# Altium PCB PCB Ver. 1.0.PcbDoc (part 2 of 2)
Units mil, origin at the board's own origin, x right, y up, seen from the top; angles counter-clockwise.
Board outline 6000 x 4000 mil, 2 copper layers (Top Layer, Bottom Layer); 133 components, 170 nets, 575 pads, 181 vias.
Unrouted connection lines stored in the file: 1.
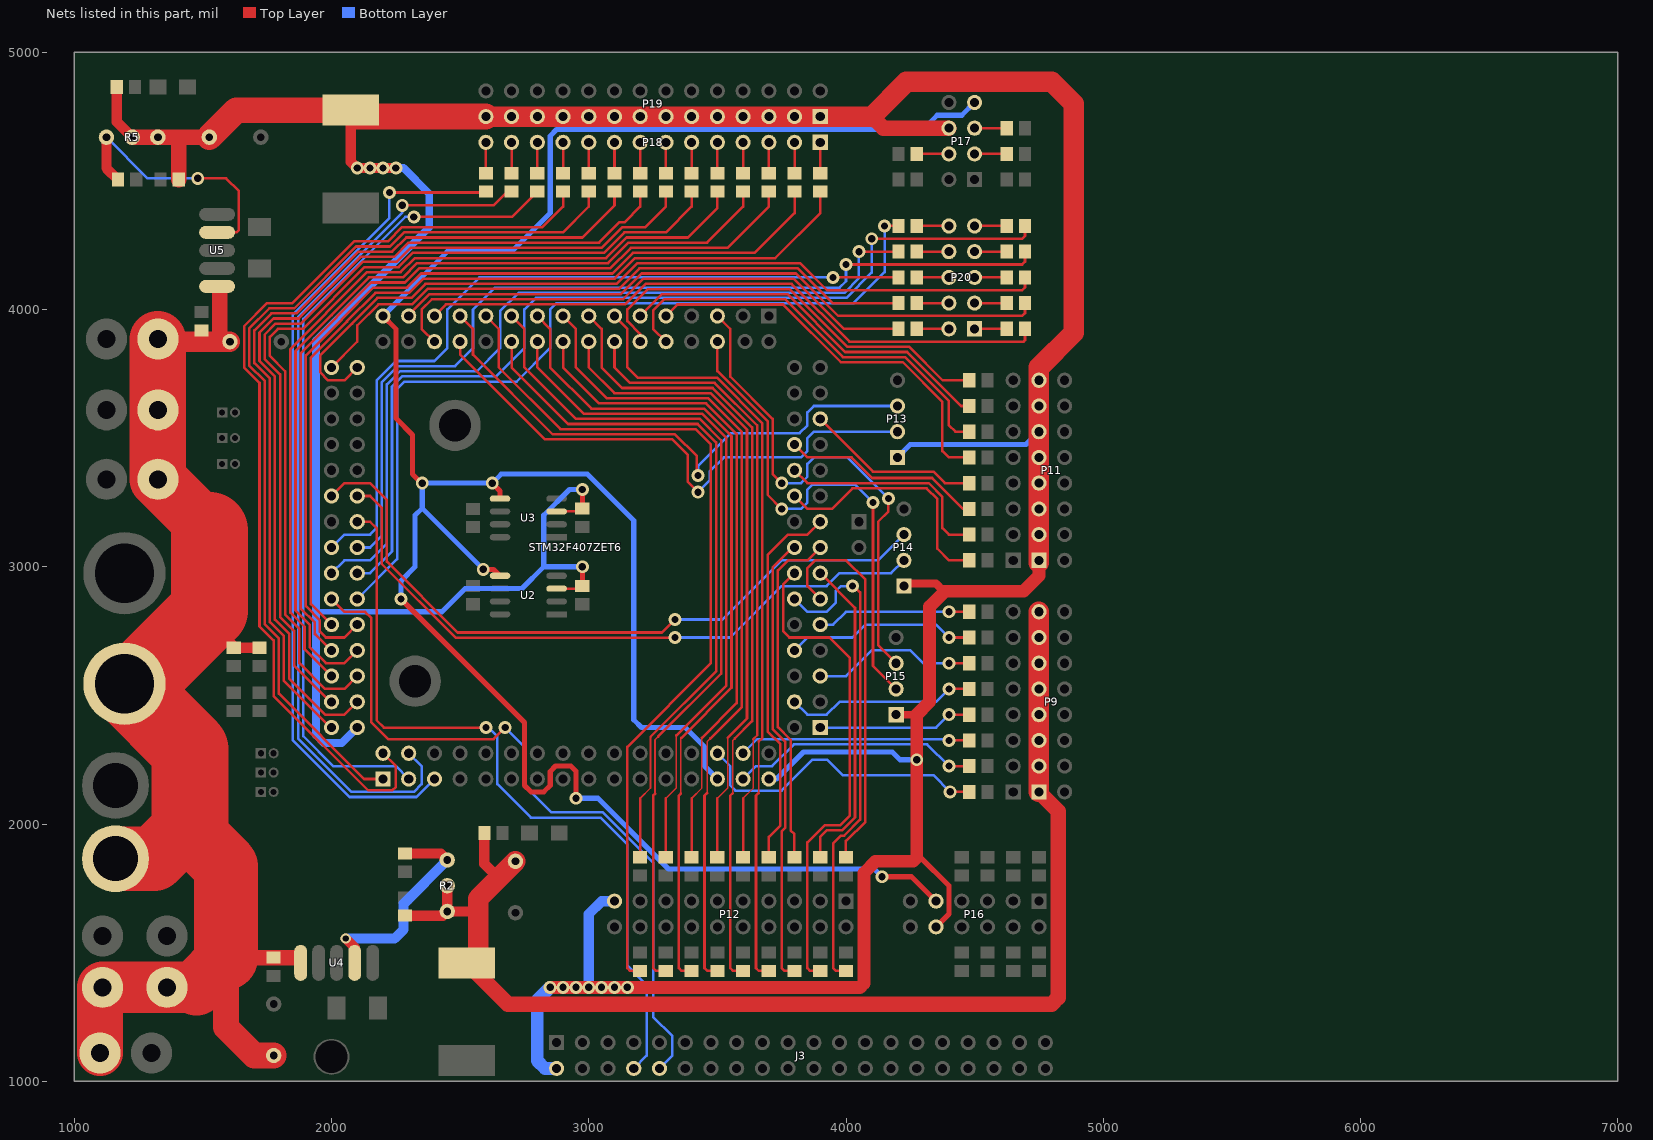
[diagram p2: the nets of this part, all layers, seen from the top]

## Via types
v1: diameter 30, hole 20, Top Layer to Bottom Layer, 98 vias
v2: diameter 50, hole 28, Top Layer to Bottom Layer, 82 vias
v3: diameter 40, hole 25, Top Layer to Bottom Layer, 1 vias

## Nets (pads, with @x,y where several pads share a name; then routed paths per layer and width w, separated by ;. In a path a pad name is that pad's centre, name@x,y a point inside that pad or via, vN(x,y) a via of type N, cw(c..) or ccw(c..) an arc to the next point about the centre after c; other vN are vias at no path point) (continued)
NetP17_3: P17.3 R21.2 | length 125
  Top Layer w10: P17.3@4500,4605 R21.2@4625,4605
NetP17_4: P17.4 R22.1 | length 125
  Top Layer w10: R22.1@4275,4605 P17.4@4400,4605
NetP17_5: P17.5 R23.2 | length 125
  Top Layer w10: P17.5@4500,4705 R23.2@4625,4705
NetP18_1: P18.1 R50.2 | length 120
  Top Layer w10: R50.2@3900,4530 P18.1@3900,4650
NetP18_2: P18.2 R51.2 | length 120
  Top Layer w10: R51.2@3800,4530 P18.2@3800,4650
NetP18_3: P18.3 R52.2 | length 120
  Top Layer w10: R52.2@3700,4530 P18.3@3700,4650
NetP18_4: P18.4 R53.2 | length 120
  Top Layer w10: R53.2@3600,4530 P18.4@3600,4650
NetP18_5: P18.5 R54.2 | length 120
  Top Layer w10: R54.2@3500,4530 P18.5@3500,4650
NetP18_6: P18.6 R55.2 | length 120
  Top Layer w10: R55.2@3400,4530 P18.6@3400,4650
NetP18_7: P18.7 R56.2 | length 120
  Top Layer w10: R56.2@3300,4530 P18.7@3300,4650
NetP18_8: P18.8 R57.2 | length 120
  Top Layer w10: R57.2@3200,4530 P18.8@3200,4650
NetP18_9: P18.9 R58.2 | length 120
  Top Layer w10: R58.2@3100,4530 P18.9@3100,4650
NetP18_10: P18.10 R59.2 | length 120
  Top Layer w10: R59.2@3000,4530 P18.10@3000,4650
NetP18_11: P18.11 R60.2 | length 120
  Top Layer w10: R60.2@2900,4530 P18.11@2900,4650
NetP18_12: P18.12 R61.2 | length 120
  Top Layer w10: R61.2@2800,4530 P18.12@2800,4650
NetP18_13: P18.13 R62.2 | length 120
  Top Layer w10: R62.2@2700,4530 P18.13@2700,4650
NetP18_14: P18.14 R63.2 | length 120
  Top Layer w10: R63.2@2600,4530 P18.14@2600,4650
NetP20_1: P20.1 R72.2 | length 125
  Top Layer w10: P20.1@4500,3925 R72.2@4625,3925
NetP20_2: P20.2 R73.1 | length 125
  Top Layer w10: R73.1@4275,3925 P20.2@4400,3925
NetP20_3: P20.3 R74.2 | length 125
  Top Layer w10: P20.3@4500,4025 R74.2@4625,4025
NetP20_4: P20.4 R75.1 | length 125
  Top Layer w10: R75.1@4275,4025 P20.4@4400,4025
NetP20_5: P20.5 R76.2 | length 125
  Top Layer w10: P20.5@4500,4125 R76.2@4625,4125
NetP20_6: P20.6 R77.1 | length 125
  Top Layer w10: R77.1@4275,4125 P20.6@4400,4125
NetP20_7: P20.7 R78.2 | length 125
  Top Layer w10: P20.7@4500,4225 R78.2@4625,4225
NetP20_8: P20.8 R79.1 | length 125
  Top Layer w10: R79.1@4275,4225 P20.8@4400,4225
NetP20_9: P20.9 R80.2 | length 125
  Top Layer w10: P20.9@4500,4325 R80.2@4625,4325
NetP20_10: P20.10 R81.1 | length 125
  Top Layer w10: R81.1@4275,4325 P20.10@4400,4325
NetR1_2: R1.2 R2.1 U4.4 | length 864.9
  Top Layer w10: U4.4@2090,1460 U4.4@2090,1520
  Top Layer w40: v3(2055,1555) U4.4@2090,1520 ; R1.2@2285,1885.43 2424.57,1885.43 R2.1@2450,1860
  Bottom Layer w40: v3(2055,1555) 2245,1555 2280,1590 2280,1690 R2.1@2450,1860
NetR4_2: R4.2 R5.1 U5.4 | length 1024.8
  Top Layer w10: v2(1480,4510) 1590,4510 1640,4460 1640,4310 1630,4300 U5.4@1555,4300
  Top Layer w40: R5.1@1125,4670 1125,4550 R4.2@1170,4505
  Bottom Layer w10: R5.1@1125,4670 1285,4510 v2(1480,4510)
PA11: R72.1 STM32F407ZET6.119 | length 2487
  Top Layer w10: STM32F407ZET6.119@2400,3975 2445,4020 3141.72,4020 3221.24,4099.53 3788.76,4099.53 4013.28,3875 4690,3875 4695.87,3880.87 R72.1@4695.87,3925
PA12: R73.2 STM32F407ZET6.120 | length 2130.3
  Top Layer w10: STM32F407ZET6.120@2400,3875 2350,3925 2350,4000 2390,4040 3133.43,4040 3213.43,4120 3796.57,4120 3991.57,3925 R73.2@4204.13,3925
PA13: R74.1 STM32F407ZET6.121 | length 2578.1
  Top Layer w10: STM32F407ZET6.121@2300,3975 2300,3978.28 2381.72,4060 3125.15,4060 3205.15,4140 3804.85,4140 3969.85,3975 4685,3975 4695.87,3985.87 R74.1@4695.87,4025
PA14: R75.2 STM32F407ZET6.1 | length 2456.4
  Top Layer w10: STM32F407ZET6.1@2000,3775 2100.03,3875.03 2100.03,3938 2182.03,4020 2313.43,4020 2373.43,4080 3116.86,4080 3196.86,4160 3813.14,4160 3948.14,4025 R75.2@4204.13,4025
PA15: R76.1 STM32F407ZET6.2 | length 3219.4
  Top Layer w10: STM32F407ZET6.2@2100,3775 2050,3725 1987.03,3725 1955.47,3756.56 1955.47,3820.41 2080.03,3944.97 2080.03,3946.29 2178.74,4045 2310.15,4045 2365.15,4100 3108.58,4100 3188.58,4180 3821.42,4180 3926.42,4075 4685,4075 4695.87,4085.87 R76.1@4695.87,4125
PB3: R50.1 STM32F407ZET6.21 | length 3369
  Top Layer w10: STM32F407ZET6.21@2000,2775 1920,2855 1920,3813.22 2060.03,3953.25 2060.03,3954.57 2170.46,4065 2301.86,4065 2356.86,4120 3100,4120 3180,4200 3725,4200 3900,4375 R50.1@3900,4459.13
PB4: R51.1 STM32F407ZET6.22 | length 3485.5
  Top Layer w10: STM32F407ZET6.22@2100,2775 2050,2725 1978.28,2725 1955,2748.28 1955,2791.72 1900,2846.72 1900,3821.51 2040.03,3961.54 2040.03,3962.85 2162.18,4085 2293.58,4085 2348.58,4140 3091.72,4140 3171.72,4220 3645,4220 3800,4375 R51.1@3800,4459.13
PB5: R52.1 STM32F407ZET6.23 | length 3321.1
  Top Layer w10: 1935,2738.28 1935,2783.43 1880,2838.43 1880,3829.79 2020.03,3969.82 2020.03,3971.14 2153.89,4105 2285.29,4105 2340.29,4160 3083.43,4160 3163.43,4240 3540,4240 3700,4400 R52.1@3700,4459.13 ; 1935.86,2739.14 STM32F407ZET6.23@2000,2675
PB6: R53.1 STM32F407ZET6.24 | length 3437.2
  Top Layer w10: STM32F407ZET6.24@2100,2675 2050,2625 1978.28,2625 1915,2688.28 1915,2775.15 1860,2830.15 1860,3838.08 2000.03,3978.11 2000.03,3979.42 2145.61,4125 2277.01,4125 2332.01,4180 3075.15,4180 3155.15,4260 3460,4260 3600,4400 R53.1@3600,4459.13
PB7: R54.1 STM32F407ZET6.25 | length 3289.8
  Top Layer w10: STM32F407ZET6.25@2000,2575 1895,2680 1895,2766.86 1840,2821.86 1840,3846.36 1980.03,3986.39 1980.03,3987.71 2137.32,4145 2268.73,4145 2323.73,4200 3066.86,4200 3146.86,4280 3385,4280 3500,4395 R54.1@3500,4459.13
PB8: R55.1 STM32F407ZET6.26 | length 3512.3
  Top Layer w10: STM32F407ZET6.26@2100,2575 2050,2525 1975,2525 1875,2625 1875,2758.58 1820,2813.58 1820,3760 1760,3820 1760,3893.64 1791.36,3925 1889.04,3925 2129.04,4165 2260.44,4165 2315.44,4220 3058.58,4220 3138.58,4300 3300,4300 3400,4400 R55.1@3400,4459.13
PB9: R56.1 STM32F407ZET6.27 | length 3362
  Top Layer w10: STM32F407ZET6.27@2000,2475 1996.72,2475 1855,2616.72 1855,2750.29 1800,2805.29 1800,3748.28 1740,3808.28 1740,3901.92 1783.08,3945 1880.75,3945 2120.75,4185 2252.16,4185 2307.16,4240 3050.29,4240 3130.29,4320 3220,4320 3300,4400 R56.1@3300,4459.13
PC6: R38.1 STM32F407ZET6.112 | length 2675.5
  Top Layer w6: 3300,2100 3340.86,2140.86 3340.86,2344.14
  Top Layer w10: STM32F407ZET6.112@2800,3875 2800,3775 2980,3595 3439.85,3595 3535,3499.85 3535,2538.28 3340.86,2344.14 ; R38.1@3299.57,1870.87 3300,1871.3 3300,2100
PC7: R39.2 STM32F407ZET6.113 | length 3318.5
  Top Layer w6: 3257.47,2117.47 3257.47,2327.47 3270,2340
  Top Layer w10: STM32F407ZET6.113@2700,3975 2750,3925 2750,3775 2950,3575 3431.57,3575 3515,3491.57 3515,2585 3270,2340 ; 3257.47,2117.47 3250,2110 3250,1440 3260.87,1429.13 R39.2@3299.57,1429.13
PC8: R40.1 STM32F407ZET6.114 | length 2750.3
  Top Layer w6: 3200,2100 3240,2140 3240,2339.14
  Top Layer w10: STM32F407ZET6.114@2700,3875 2700,3775 2920,3555 3423.28,3555 3495,3483.28 3495,2593.28 3240.86,2339.14 ; R40.1@3199.57,1870.87 3200,1871.3 3200,2100
PC9: R41.2 STM32F407ZET6.115 | length 3393.7
  Top Layer w10: STM32F407ZET6.115@2600,3975 2650,3925 2650,3775 2890,3535 3415,3535 3475,3475 3475,2625 3150,2300 3150,1440 3160.87,1429.13 R41.2@3199.57,1429.13
PE0: R57.1 STM32F407ZET6.28 | length 3478.6
  Top Layer w10: STM32F407ZET6.28@2100,2475 2050,2425 1975,2425 1835,2565 1835,2740 1780,2795 1780,3740 1720,3800 1720,3910.21 1774.79,3965 1872.47,3965 2112.47,4205 2243.87,4205 2298.87,4260 3040,4260 3120,4340 3140,4340 3200,4400 R57.1@3200,4459.13
PE1: R58.1 STM32F407ZET6.29 | length 3325.3
  Top Layer w10: STM32F407ZET6.29@2000,2375 1996.72,2375 1815,2556.72 1815,2730 1760,2785 1760,3731.57 1700,3791.57 1700,3918.49 1766.51,3985 1864.19,3985 2104.19,4225 2235.59,4225 2290.59,4280 2975,4280 3100,4405 R58.1@3100,4459.13
PE2: R59.1 STM32F407ZET6.31 | length 3585.3
  Top Layer w10: STM32F407ZET6.31@2200,2175 2126.57,2175 1795,2506.57 1795,2721.72 1740,2776.72 1740,3723.28 1680,3783.28 1680,3926.78 1758.22,4005 1855.9,4005 2095.9,4245 2227.31,4245 2282.31,4300 2900,4300 3000,4400 R59.1@3000,4459.13
PE3: R60.1 STM32F407ZET6.32 | length 3760.4
  Top Layer w10: STM32F407ZET6.32@2200,2275 2250,2225 2250,2144.73 2235.74,2130.47 2142.81,2130.47 1775,2498.28 1775,2713.43 1720,2768.43 1720,3715 1660,3775 1660,3935.06 1749.94,4025 1847.62,4025 2087.62,4265 2219.02,4265 2274.02,4320 2820,4320 2900,4400 R60.1@2900,4459.13
PE4: R61.1 STM32F407ZET6.33 | length 3216.2
  Top Layer w10: v2(2320,4360) 2700.87,4360 R61.1@2800,4459.13
  Bottom Layer w10: STM32F407ZET6.33@2300,2175 2250,2225 2006.57,2225 1890,2341.57 1890,3963.43 2286.57,4360 v2(2320,4360)
PE5: R62.1 STM32F407ZET6.34 | length 3406.3
  Top Layer w10: v2(2275,4405) 2630,4405 2684.13,4459.13 R62.1@2700,4459.13
  Bottom Layer w10: v2(2275,4405) 2275,4376.72 1870,3971.72 1870,2333.28 2078.28,2125 2320,2125 2350,2155 2350,2225 STM32F407ZET6.34@2300,2275
PE6: R63.1 STM32F407ZET6.35 | length 3337
  Top Layer w10: v2(2225,4455) 2584.13,4455 2594.13,4465 R63.1@2600,4459.13
  Bottom Layer w10: v2(2225,4455) 2225,4355 1850,3980 1850,2325 2070,2105 2330,2105 STM32F407ZET6.35@2400,2175
PF11: R24.1 STM32F407ZET6.73 | length 1520.4
  Top Layer w10: STM32F407ZET6.73@3900,2875 3850,2925 3850,2995 3880,3025 4000,3025 4075,2950 4075,2008.58 4001.42,1935 4000,1935 3999.57,1934.57 R24.1@3999.57,1870.87
PF12: R25.2 STM32F407ZET6.74 | length 1917.6
  Top Layer w10: R25.2@3999.57,1429.13 3960.87,1429.13 3950,1440 3950,1925 3980,1955 3993.14,1955 4055,2016.86 4055,2900 v2@4027.5,2927.5
  Bottom Layer w10: STM32F407ZET6.74@3800,2875 3850,2825 3925,2825 3960,2860 3960,2905 3980,2925 v2(4025,2925)
PF13: R26.1 STM32F407ZET6.75 | length 1251.2
  Top Layer w10: R26.1@3899.57,1870.87 3899.57,1949.57 3925,1975 3984.85,1975 4035,2025.15 4035,2840 STM32F407ZET6.75@3900,2975
PF14: R27.2 STM32F407ZET6.76 | length 1909.2
  Top Layer w10: STM32F407ZET6.76@3800,2975 3755.47,2930.47 3755.47,2749.53 3780,2725 3935,2725 4015,2645 4015,2033.43 3976.57,1995 3916.72,1995 3850,1928.28 3850,1440 3860.87,1429.13 R27.2@3899.57,1429.13
PF15: R28.1 STM32F407ZET6.77 | length 1342.8
  Top Layer w10: R28.1@3799.57,1870.87 3799.57,1960.43 3784.53,1975.47 3784.53,2327.5 3735.47,2376.56 3735.47,2985.47 3775,3025 3850,3025 STM32F407ZET6.77@3900,3075
PG0: R29.2 STM32F407ZET6.78 | length 1755.3
  Top Layer w10: R29.2@3799.57,1429.13 3760.87,1429.13 3750,1440 3750,1971.72 3764.53,1986.24 3764.53,2319.22 3715.47,2368.27 3715.47,2998.76 3791.72,3075 STM32F407ZET6.78@3800,3075
PG1: R30.1 STM32F407ZET6.79 | length 1476.7
  Top Layer w10: R30.1@3699.57,1870.87 3700,1871.3 3700,1950 3744.53,1994.53 3744.53,2310.93 3695.47,2359.99 3695.47,3045.47 3775,3125 3850,3125 STM32F407ZET6.79@3900,3175 STM32F407ZET6.79@3895,3175
PG2: R31.2 STM32F407ZET6.105 | length 3017.9
  Top Layer w6: 3660,2120 3660,2320
  Top Layer w10: STM32F407ZET6.105@3100,3975 3150,3925 3150,3775 3190,3735 3497.84,3735 3675,3557.84 3675,2335 3660,2320 ; 3660,2120 3650,2110 3650,1440 3660.87,1429.13 R31.2@3699.57,1429.13
PG3: R32.1 STM32F407ZET6.106 | length 2450
  Top Layer w6: 3600,2100 3640,2140 3640,2330
  Top Layer w10: STM32F407ZET6.106@3100,3875 3100,3775 3160,3715 3489.56,3715 3655,3549.56 3655,2345 3640,2330 ; R32.1@3599.57,1870.87 3600,1871.3 3600,2100
PG4: R33.2 STM32F407ZET6.107 | length 3093.1
  Top Layer w6: 3560,2120 3560,2325 3567.5,2332.5
  Top Layer w10: STM32F407ZET6.107@3000,3975 3050,3925 3050,3775 3130,3695 3481.27,3695 3635,3541.27 3635,2400 3567.5,2332.5 ; 3560,2120 3550,2110 3550,1440 3560.87,1429.13 R33.2@3599.57,1429.13
PG5: R34.1 STM32F407ZET6.108 | length 2525.2
  Top Layer w6: 3500,2100 3540,2140 3540,2335
  Top Layer w10: STM32F407ZET6.108@3000,3875 3000,3775 3100,3675 3472.99,3675 3615,3532.99 3615,2410 3540,2335 ; R34.1@3499.57,1870.87 3500,1871.3 3500,2100
PG6: R35.2 STM32F407ZET6.109 | length 3168.7
  Top Layer w6: 3460,2120 3460,2320 3472.5,2332.5
  Top Layer w10: STM32F407ZET6.109@2900,3975 2950,3925 2950,3775 3070,3655 3464.71,3655 3595,3524.71 3595,2455 3472.5,2332.5 ; 3460,2120 3450,2110 3450,1440 3460.87,1429.13 R35.2@3500,1429.13
PG7: R36.1 STM32F407ZET6.110 | length 2600.3
  Top Layer w6: 3400,2100 3440,2140 3440,2335
  Top Layer w10: STM32F407ZET6.110@2900,3875 2900,3775 3040,3635 3456.42,3635 3575,3516.42 3575,2470 3440,2335 ; R36.1@3399.57,1870.87 3400,1871.3 3400,2100
PG8: R37.2 STM32F407ZET6.111 | length 3243.4
  Top Layer w6: 3356.86,2120 3356.86,2331.86 3360,2335
  Top Layer w10: STM32F407ZET6.111@2800,3975 2850,3925 2850,3775 3010,3615 3448.14,3615 3555,3508.14 3555,2530 3360,2335 ; 3356.86,2120 3356.86,2116.86 3350,2110 3350,1440 3360.87,1429.13 R37.2@3399.57,1429.13
PG10: R77.2 STM32F407ZET6.15 | length 3063.8
  Top Layer w10: v2(3950,4125) R77.2@4204.13,4125
  Bottom Layer w10: STM32F407ZET6.15@2000,3075 2050,3125 2150,3125 2175,3150 2175,3725 2250,3800 2400,3800 2450,3850 2450,4000 2575,4125 v2(3950,4125)
PG11: R78.1 STM32F407ZET6.16 | length 3567.7
  Top Layer w10: v2@4000,4170 4005,4175 4685,4175 4695.87,4185.87 R78.1@4695.87,4225
  Bottom Layer w10: STM32F407ZET6.16@2100,3075 2150,3075 2195,3120 2195,3716.72 2258.28,3780 2480,3780 2550,3850 2550,4000 2635,4085 3975,4085 4000,4110 v2@4000,4170
  other v2: 4000,4175
PG12: R79.2 STM32F407ZET6.17 | length 3228.4
  Top Layer w10: v2(4050,4225) R79.2@4204.13,4225
  Bottom Layer w10: STM32F407ZET6.17@2000,2975 2050,3025 2150,3025 2215,3090 2215,3708.43 2266.57,3760 2565,3760 2655.47,3850.47 2655.47,3993.44 2727.03,4065 3993.28,4065 4050,4121.72 v2(4050,4225)
PG13: R80.1 STM32F407ZET6.18 | length 3717.9
  Top Layer w10: v2(4100,4275) 4685,4275 4695.87,4285.87 R80.1@4695.87,4325
  Bottom Layer w10: STM32F407ZET6.18@2100,2975 2150,2975 2235,3060 2235,3700.15 2274.85,3740 2640,3740 2750,3850 2750,4000 2795,4045 4001.57,4045 4100,4143.43 v2(4100,4275)
PG15: R81.2 STM32F407ZET6.20 | length 3285.8
  Top Layer w10: v2(4150,4325) R81.2@4204.13,4325
  Bottom Layer w10: STM32F407ZET6.20@2100,2875 2255,3030 2255,3691.86 2283.14,3720 2720,3720 2850,3850 2850,4000 2875,4025 4030,4025 4150,4145 v2(4150,4325)
TIM1_CH1: R42.1 STM32F407ZET6.82 | length 972.3
  Top Layer w10: STM32F407ZET6.82@3810,3275 STM32F407ZET6.82@3800,3275 3850,3225 3945,3225 4025,3305 4313.43,3305 4355,3263.43 4355,3070 4400,3025 R42.1@4479.13,3025
TIM1_CH2: R43.1 STM32F407ZET6.84 | length 854
  Top Layer w10: STM32F407ZET6.84@3800,3375 3850,3325 4321.72,3325 4375,3271.72 4375,3150 4400,3125 R43.1@4479.13,3125
TIM1_CH3: R44.1 STM32F407ZET6.86 | length 782.7
  Top Layer w10: STM32F407ZET6.86@3800,3475 3850,3425 4021.72,3425 4101.72,3345 4335,3345 4455,3225 R44.1@4479.13,3225
TIM1_CH4: R45.1 STM32F407ZET6.87 | length 682.7
  Top Layer w10: STM32F407ZET6.87@3900,3575 4105,3370 4340,3370 4385,3325 R45.1@4479.13,3325
TIM2_CH1: R64.1 STM32F407ZET6.58 | length 1184.6
  Top Layer w10: v2(4405,2125) R64.1@4479.13,2125
  Bottom Layer w10: STM32F407ZET6.58@3500,2275 3550,2225 3550,2150 3570,2130 3750,2130 3870,2250 3926.57,2250 3986.57,2190 4340,2190 v2(4405,2125)
TIM2_CH2: R65.1 STM32F407ZET6.59 | length 969.9
  Top Layer w10: v2(4400,2225) R65.1@4479.13,2225
  Bottom Layer w10: STM32F407ZET6.59@3600,2175 3650,2225 3712.97,2225 3797.5,2309.53 4315.47,2309.53 v2(4400,2225)
TIM2_CH3: R66.1 STM32F407ZET6.60 | length 903.6
  Top Layer w10: v2(4400,2325) R66.1@4479.13,2325
  Bottom Layer w10: STM32F407ZET6.60@3600,2275 3654.53,2329.53 4395.47,2329.53 v2(4400,2325)
TIM2_CH4: R67.1 STM32F407ZET6.63 | length 599.8
  Top Layer w10: v2(4400,2425) R67.1@4479.13,2425
  Bottom Layer w10: STM32F407ZET6.63@3900,2375 4350,2375 v2(4400,2425)
TIM3_CH1: R68.1 STM32F407ZET6.66 | length 741.3
  Top Layer w10: v2(4400,2525) R68.1@4479.13,2525
  Bottom Layer w10: STM32F407ZET6.66@3800,2475 3850,2425 3925,2425 3975,2475 4350,2475 v2(4400,2525)
TIM3_CH2: R69.1 STM32F407ZET6.67 | length 641.3
  Top Layer w10: v2(4400,2625) R69.1@4479.13,2625
  Bottom Layer w10: STM32F407ZET6.67@3900,2575 4000,2575 4100,2675 4250,2675 4300,2625 v2(4400,2625)
TIM3_CH3: R70.1 STM32F407ZET6.70 | length 741.3
  Top Layer w10: v2(4400,2725) R70.1@4479.13,2725
  Bottom Layer w10: STM32F407ZET6.70@3800,2675 3850,2725 4025,2725 4075,2775 4350,2775 v2(4400,2725)
TIM3_CH4: R71.1 STM32F407ZET6.71 | length 599.8
  Top Layer w10: v2(4400,2825) R71.1@4479.13,2825
  Bottom Layer w10: STM32F407ZET6.71@3900,2775 3950,2775 4000,2825 v2(4400,2825)
TIM4_CH1: R46.1 STM32F407ZET6.101 | length 1555.9
  Top Layer w10: STM32F407ZET6.101@3300,3975 3344.53,4019.53 3755.62,4019.53 3980.15,3795 4221.26,3795 4375,3641.26 4375,3450 4400,3425 R46.1@4479.13,3425
TIM4_CH2: R47.1 STM32F407ZET6.102 | length 1657.8
  Top Layer w10: STM32F407ZET6.102@3300,3875 3250,3925 3250,3996.72 3292.81,4039.53 3763.9,4039.53 3988.43,3815 4229.54,3815 4400,3644.54 4400,3550 4425,3525 R47.1@4479.13,3525
TIM4_CH3: R48.1 STM32F407ZET6.103 | length 1494.1
  Top Layer w10: STM32F407ZET6.103@3200,3975 3284.53,4059.53 3772.19,4059.53 3996.72,3835 4237.82,3835 4447.82,3625 R48.1@4479.13,3625
TIM4_CH4: R49.1 STM32F407ZET6.104 | length 1654.6
  Top Layer w10: STM32F407ZET6.104@3200,3875 3200,3905 3150,3955 3150,4000 3229.53,4079.53 3780.47,4079.53 4005,3855 4246.11,3855 4376.11,3725 R49.1@4479.13,3725
USART1_RX: P13.2 STM32F407ZET6.118 | length 2180.2
  Top Layer w10: STM32F407ZET6.118@2500,3875 2500,3825 2830,3495 3325,3495 3385,3435 3385,3330 v2(3425,3290)
  Bottom Layer w10: v2(3425,3290) 3470,3335 3470,3370 3525,3425 3825,3425 3850,3450 3850,3500 3875,3525 P13.2@4200,3525
USART1_TX: P13.3 STM32F407ZET6.117 | length 2234
  Top Layer w10: STM32F407ZET6.117@2500,3975 2550,3925 2550,3825 2860,3515 3335,3515 3420,3430 v2@3420,3355 ; v2@3425,3350 v2@3420,3355 ; v2(3425,3355) v2@3420,3355
  Bottom Layer w10: v2@3425,3350 v2(3425,3355) 3425,3391.72 3552.81,3519.53 3819.53,3519.53 3850,3550 3850,3600 3875,3625 P13.3@4200,3625
USART2_RX: P14.2 STM32F407ZET6.12 | length 2605.3
  Top Layer w10: STM32F407ZET6.12@2100,3275 2150,3275 2195,3230 2195,3011.72 2482.15,2724.57 3334.57,2724.57 v2(3335,2725)
  Bottom Layer w10: v2(3335,2725) 3550,2725 3750,2925 3925,2925 3975,2975 4175,2975 P14.2@4225,3025
USART2_TX: P14.3 STM32F407ZET6.11 | length 2784.3
  Top Layer w10: STM32F407ZET6.11@2000,3275 2050,3325 2150,3325 2215,3260 2215,3020 2490.43,2744.57 3284.57,2744.57 v2(3335,2795)
  Bottom Layer w10: v2(3335,2795) 3520,2795 3750,3025 4125,3025 P14.3@4225,3125
USART3_RX: P15.2 STM32F407ZET6.98 | length 1968.1
  Top Layer w10: STM32F407ZET6.98@3500,3875 3500,3761.13 3695,3566.13 3695,3280 v2(3750,3225) ; v2(4105,3250) 4105,2615 P15.2@4195,2525
  Bottom Layer w10: v2(3750,3225) 3825,3225 3850,3250 3850,3300 3869.53,3319.53 4035.47,3319.53 v2(4105,3250)
USART3_TX: P15.3 STM32F407ZET6.97 | length 1991.1
  Top Layer w10: STM32F407ZET6.97@3500,3975 3550,3925 3550,3739.41 3715,3574.41 3715,3360 v2(3750,3325) ; v2(4165,3265) 4165,3215 4125,3175 4125,2695 P15.3@4195,2625
  Bottom Layer w10: v2(3750,3325) 3825,3325 3850,3350 3850,3400 3875,3425 4005,3425 v2(4165,3265)
USART6_RX: J3.8 STM32F407ZET6.14 | length 3037.4
  Top Layer w10: STM32F407ZET6.14@2100,3175 2150,3175 2175,3150 2175,2403.28 2203.28,2375 v2(2600,2375)
  Bottom Layer w10: v2(2600,2375) 2610,2375 2644.53,2340.47 2644.53,2155.47 2775,2025 3045,2025 3150,1920 3150,1450 3225,1375 3225,1100 J3.8@3175,1050
USART6_TX: J3.10 STM32F407ZET6.19 | length 2888.7
  Top Layer w10: STM32F407ZET6.19@2000,2875 2050,2825 2130,2825 2155,2800 2155,2395 2220,2330 2630,2330 v2(2675,2375)
  Bottom Layer w10: v2(2675,2375) 2750,2300 2750,2150 2855,2045 3055,2045 3250,1850 3250,1250 3325,1175 3325,1100 J3.10@3275,1050
VCC_3V3: P16.9 P17.7 STM32F407ZET6.57 STM32F407ZET6.123 U2.5 U3.5 | length 9556.6
  Top Layer w10: v2@2350,3325 v2(2352.5,3325) ; v2@4135,1780 4140,1785 v2(4140,1795)
  Top Layer w20: STM32F407ZET6.123@2200,3975 2250,3925 2250,3577.78 2315,3512.78 2315,3360 v2@2350,3325 ; v2(2270,2875) 2750,2395 2750,2150 2775,2125 2825,2125 2850,2150 2850,2204.64 2870.36,2225 2930,2225 2950,2205 v2(2950,2100) ; v2(2590,2990) 2630,2990 U2.5@2655,2965 ; v2(2625,3325) 2655,3295 U3.5@2655,3265 ; v2(4140,1795) 4255,1795 P16.9@4350,1700
  Bottom Layer w20: STM32F407ZET6.123@2200,3975 2450,4225 2700,4225 2850,4375 2850,4675 2875,4700 4300,4700 4355,4755 4450,4755 P17.7@4500,4805 ; v2(2270,2875) 2270,2945 2325,3000 2325,3200 2352.5,3227.5 ; v2(2590,2990) 2352.5,3227.5 ; v2(2950,2100) 3035.36,2100 3275,1860.36 3275,1860 3310,1825 4110,1825 v2(4140,1795) ; STM32F407ZET6.57@3500,2175 3475,2200 3475,2200.36 3450,2225.36 3450,2300 3375,2375 3205,2375 3175,2405 3175,3180 2995,3360 2660,3360 v2(2625,3325) v2(2352.5,3325) 2352.5,3227.5
VCC_5V: C7.1 C8.2 C9.1 C10.1 J3.2 L2.2 P11.1 P11.3 P11.5 P11.7 P11.9 P11.11 P11.13 P11.15 P12.19 P13.1 P14.1 P15.1 P16.10 P17.6 P19.1 P19.3 P19.5 P19.7 P19.9 P19.11 P19.13 P19.15 P19.17 P19.19 P19.21 P19.23 P19.25 P19.27 R5.2 R5.3 R6.1 STM32F407ZET6.30 STM32F407ZET6.61 U2.3 U3.3 | length 17744.7
  Top Layer w10: 1405,4670 1405.87,4669.13 ; L2.2@2075,4775 L2.2@2100,4750 ; U2.3@2870,2914.57 C9.1@2975,2914.57 ; U3.3@2875,3215 2979.57,3215 C10.1@2990,3225.43 ; 4275,1870 4290,1870
  Top Layer w20: C9.1@2975,2925 v2(2975,3000) ; C10.1@2975,3225.87 v2(2975,3300) ; 4290,1870 4400,1760 4400,1650 P16.10@4350,1600
  Top Layer w30: P15.1@4195,2425 4275,2425 ; P14.1@4225,2935 4350,2935 4380,2905 4382.5,2902.5
  Top Layer w40: R6.1@1165,4865 1165,4730 R5.2@1225,4670 ; L2.2@2075,4775 2075,4575 v2(2100,4550) v2(2150,4550) v2(2200,4550) v2(2250,4550)
  Top Layer w50: v2(2850,1365) v2(2900,1365) v2(2950,1365) v2(3000,1365) v2(3050,1365) v2(3100,1365) v2(3150,1365) 4055,1365 4070,1380 4070,1809.85 4115.15,1855 4260,1855 4275,1870 v2(4275,2250) 4275,2425 4325,2475 4325,2845 4382.5,2902.5 ; 4380,2905 4690,2905 4750,2965 P11.1@4750,3015
  Top Layer w60: R5.2@1225,4670 R5.3@1325,4670 1405,4670 C7.1@1525,4670 ; C8.2@1405.87,4505 1405.87,4669.13 ; 4100,4750 4145,4705 P17.6@4400,4705
  Top Layer w80: P19.27@2600,4750 P19.25@2700,4750 P19.23@2800,4750 P19.21@2900,4750 P19.19@3000,4750 P19.17@3100,4750 P19.15@3200,4750 P19.13@3300,4750 P19.11@3400,4750 P19.9@3500,4750 P19.7@3600,4750 P19.5@3700,4750 P19.3@3800,4750 P19.1@3900,4750 4100,4750 4235,4885 4800,4885 4885,4800 4885,3910 4750,3775 P11.15@4750,3725 P11.13@4750,3625 P11.11@4750,3525 P11.9@4750,3425 P11.7@4750,3325 P11.5@4750,3225 P11.3@4750,3125 P11.1@4750,3025 P11.1@4750,3015
  Top Layer w100: C7.1@1525,4670 1630,4775 L2.2@2075,4775 ; L2.2@2100,4750 P19.27@2600,4750
  Bottom Layer w20: 1940,2825 2430,2825 2520,2915 2740,2915 2825,3000 ; v2(2975,3000) 2825,3000 ; v2(2975,3300) 2925,3300 2825,3200 2825,3000 ; STM32F407ZET6.61@3700,2175 3730,2175 3835,2280 4180,2280 4210,2250 v2(4275,2250) ; P13.1@4200,3425 4250,3475 4700,3475 P11.11@4750,3525
  Bottom Layer w30: STM32F407ZET6.30@2100,2375 2040,2315 1970,2315 1940,2345 1940,2825 1940,3880 2380,4320 2380,4450 2280,4550 v2(2250,4550) v2(2200,4550) v2(2150,4550) v2(2100,4550)
  Bottom Layer w40: v2(3000,1365) 3000,1650 3050,1700 P12.19@3100,1700
  Bottom Layer w50: J3.2@2875,1050 2830,1050 2800,1080 2800,1315 v2(2850,1365) v2(2900,1365) v2(2950,1365) v2(3000,1365) v2(3050,1365) v2(3100,1365) v2(3150,1365)
VCC_24V: C1.2 C2.1 C5.2 C6.1 C11.2 R9.2 U4.1 U5.1 X0.1 X1.1 X2.1 X3.1 X4.1 X5.1 X6.1 X7.1 | length 5610.7
  Top Layer w10: X2.1@1100,1355 X2.1@1110,1365 ; X6.1@1325,3885 X6.1@1350,3885 ; 1450,1975 1450,2005 ; 1450,2290 1520,2360 ; 1525,2785 1525,2830 ; 1565,3915 C6.1@1605,3875 ; 1590,1480 1590.43,1480.43
  Top Layer w40: 1525,2785 C11.2@1625,2685 ; C11.2@1620,2685 C11.2@1625,2685 ; R9.2@1720,2685 C11.2@1625,2685
  Top Layer w60: 1565,3915 U5.1@1565,4080 ; 1590.43,1480.43 C1.2@1775,1480.43 ; C1.2@1775,1480 U4.1@1859.57,1480
  Top Layer w80: X6.1@1360,3875 C6.1@1605,3875
  Top Layer w100: X6.1@1350,3885 X6.1@1360,3875 ; 1590,1480 1590,1210 1700,1100 C2.1@1775,1100
  Top Layer w180: X1.1@1100,1110 X2.1@1100,1355
  Top Layer w200: X2.1@1110,1365 X3.1@1360,1365 1475,1365
  Top Layer w220: X6.1@1325,3885 X5.1@1325,3610 X4.1@1325,3340 1525,3140 ; 1475,1365 1590,1480
  Top Layer w250: X7.1@1160,1865 1310,1865 1450,2005 ; 1450,1975 1590,1835 1590,1480
  Top Layer w300: 1450,2005 1450,2290 X0.1@1195,2545 1240,2545 1525,2830 1525,3140
VCC_ADJ: C3.1 C4.2 L1.2 P9.1 P9.3 P9.5 P9.7 P9.9 P9.11 P9.13 P9.15 R2.2 R2.3 R3.1 | length 4972.1
  Top Layer w10: R2.3@2433.7,1643.7 R2.3@2450,1660 ; R2.3@2439.14,1655 R2.3@2440,1655 ; L1.2@2525,1460 L1.2@2570,1505
  Top Layer w40: C4.2@2285,1643.7 R2.3@2433.7,1643.7 ; R2.2@2450,1760 R2.3@2450,1660 2570,1660 ; R3.1@2594.13,1965 2594.13,1845.87 2650,1790
  Top Layer w60: L1.2@2525,1460 2685,1300 4800,1300 4825,1325 4825,2050 P9.1@4750,2125
  Top Layer w80: L1.2@2570,1505 2570,1660 2570,1710 2650,1790 C3.1@2715,1855 ; P9.1@4750,2125 P9.3@4750,2225 P9.5@4750,2325 P9.7@4750,2425 P9.9@4750,2525 P9.11@4750,2625 P9.13@4750,2725 P9.15@4750,2825
pads on no net: J3.1 J3.3 J3.4 J3.5 J3.7 J3.9 J3.11 J3.12 J3.13 J3.14 J3.15 J3.16 J3.17 J3.18 J3.19 J3.20 J3.21 J3.22 J3.23 J3.24 J3.25 J3.26 J3.27 J3.28 J3.29 J3.30 J3.31 J3.32 J3.33 J3.34 J3.35 J3.36 J3.37 J3.38 J3.39 J3.40 STM32F407ZET6.3 STM32F407ZET6.4 STM32F407ZET6.5 STM32F407ZET6.8 STM32F407ZET6.9 STM32F407ZET6.10 STM32F407ZET6.13 STM32F407ZET6.36 STM32F407ZET6.37 STM32F407ZET6.38 STM32F407ZET6.39 STM32F407ZET6.40 STM32F407ZET6.41 STM32F407ZET6.42 STM32F407ZET6.49 STM32F407ZET6.50 STM32F407ZET6.51 STM32F407ZET6.62 STM32F407ZET6.72 STM32F407ZET6.80 STM32F407ZET6.81 STM32F407ZET6.83 STM32F407ZET6.85 STM32F407ZET6.88 STM32F407ZET6.89 STM32F407ZET6.90 STM32F407ZET6.91 STM32F407ZET6.92 STM32F407ZET6.95 STM32F407ZET6.96 STM32F407ZET6.99 STM32F407ZET6.100 STM32F407ZET6.116
copper on no net: | length 366.6
  Top Layer w24: 3025,1230 3025,1075 3065,1035
  Bottom Layer w100: 1960,1455 1960,1610
  other v1: 1870,1640 1920,1640 1970,1640 2020,1640 2070,1640 2120,1640 2170,1640 1870,1690 1920,1690 1970,1690 2020,1690 2070,1690 2120,1690 2170,1690 1870,1740 1920,1740 1970,1740 2020,1740 2070,1740 2120,1740 2170,1740 1870,1790 1920,1790 1970,1790 2020,1790 2070,1790 2120,1790 2170,1790 1870,1840 1920,1840 1970,1840 2020,1840 2070,1840 2120,1840 2170,1840 1870,1890 1920,1890 1970,1890 2020,1890 2070,1890 2120,1890 2170,1890 1870,1940 1920,1940 1970,1940 2020,1940 2070,1940 2120,1940 2170,1940 1075,4080 1125,4080 1175,4080 1225,4080 1275,4080 1325,4080 1375,4080 1075,4130 1125,4130 1175,4130 1225,4130 1275,4130 1325,4130 1375,4130 1075,4180 1125,4180 1175,4180 1225,4180 1275,4180 1325,4180 1375,4180 1075,4230 1125,4230 1175,4230 1225,4230 1275,4230 1325,4230 1375,4230 1075,4280 1125,4280 1175,4280 1225,4280 1275,4280 1325,4280 1375,4280 1075,4330 1125,4330 1175,4330 1225,4330 1275,4330 1325,4330 1375,4330 1075,4380 1125,4380 1175,4380 1225,4380 1275,4380 1325,4380 1375,4380

## Other copper
Top Layer:
  region net GND: 2180,1500 2235,1500 2255,1480 2255,1425 2240,1410 2180,1410
  region net VCC_24V: 1520,2420 1520,2660 1390,2530
  region net VCC_24V: 1325,1740 1470,1625 1475,1810 1445,1840
  region net VCC_24V: 1185,1170 1250,1235 1487,1235 1500,1240 1555,1290 1185,1285
  region net GND: 3035,1115 3045,1105 3105,1105 3115,1115 3115,1065 3075,1025 3035,1065
Bottom Layer:
  region net GND: 1200,1645 1355,1800 1365,1800 1365,1690 1315,1640

## Silkscreen, mask and mechanical layers (free items; w line width, h text height)
Top Overlay:
  drawing of 4234 lines, arcs and shapes, not listed
  text "Joystick" at 4485,4865 h60
  text "VCC_5V" at 1775,4860 h60
  text "Analog" at 3970,4760 h60
  text "Digital" at 3990,4380 h60
  text "Digital I/O" at 2430,4190 h60 r90
  text "USART1" at 4135,3235 h60 r90
  text "USART2" at 4165,2870 h60 r90
  text "CAN2" at 4075,2790 h60 r90
  text "2018/5/18 / Ver. 1.0" at 2735,2490 h60
  text "USART3" at 4100,2410 h60 r90
  text "夏宇彬" at 2870,2405 h100
  text "Digital I/O" at 2565,2020 h60
  text "VCC_ADJ" at 1925,2015 h60
  text "Analog I/O" at 4325,2005 h60
  text "Raspberry Pi" at 4110,1250 h60
Mechanical 1:
  lines w10: 1000,1000 4935,1000 4935,4935 1000,4935 1000,1000

## Text inside footprints (layer, text, board x,y; h text height)
C2: Top Overlay "+" at 1855,1130 h60 r180; Bottom Overlay "+" at 1735,1130 h60 r180
C3: Top Overlay "+" at 2635,1825 h60; Bottom Overlay "+" at 2755,1825 h60
C6: Top Overlay "+" at 1635,3795 h60 r90; Bottom Overlay "+" at 1635,3915 h60 r90
C7: Top Overlay "+" at 1555,4590 h60 r90; Bottom Overlay "+" at 1555,4710 h60 r90
D2: Top Overlay "+" at 2765,2000 h30
D4: Top Overlay "+" at 1320,4900 h30
J3: Top Overlay "1" at 2795,1125 h50; Top Overlay "2" at 2785,1025 h50; Top Overlay "40" at 4835,1025 h50; Top Overlay "39" at 4835,1125 h50
P12: Top Overlay "2" at 4065,1575 h50; Top Overlay "1" at 4075,1675 h50; Top Overlay "19" at 2960,1675 h50; Top Overlay "20" at 2955,1575 h50
P16: Top Overlay "2" at 4815,1575 h50; Top Overlay "1" at 4820,1675 h50; Top Overlay "1" at 4170,1700 h50; Top Overlay "1" at 4135,1700 h50; Top Overlay "12" at 4105,1510 h50
P17: Top Overlay "8" at 4330,4815 h50 r90; Top Overlay "7" at 4620,4815 h50 r90; Top Overlay "1" at 4540,4425 h50 r90; Top Overlay "2" at 4335,4435 h50 r90
P20: Top Overlay "2" at 4420,3825 h50 r90; Top Overlay "1" at 4520,3845 h50 r90; Top Overlay "9" at 4565,4365 h50; Top Overlay "10" at 4355,4390 h50
X0: Top Overlay "+" at 1080,2380 h60 r90
X1: Top Overlay "+" at 1010,1160 h60
X2: Top Overlay "+" at 1060,1275 h60 r90
X3: Top Overlay "+" at 1310,1275 h60 r90
X4: Top Overlay "+" at 1415,3290 h60 r180
X5: Top Overlay "+" at 1415,3560 h60 r180
X6: Top Overlay "+" at 1415,3835 h60 r180
X7: Top Overlay "+" at 1075,1725 h60 r90